# Altium PCB EE4951_BPM_REVA.PcbDoc (part 1 of 3) (continued)
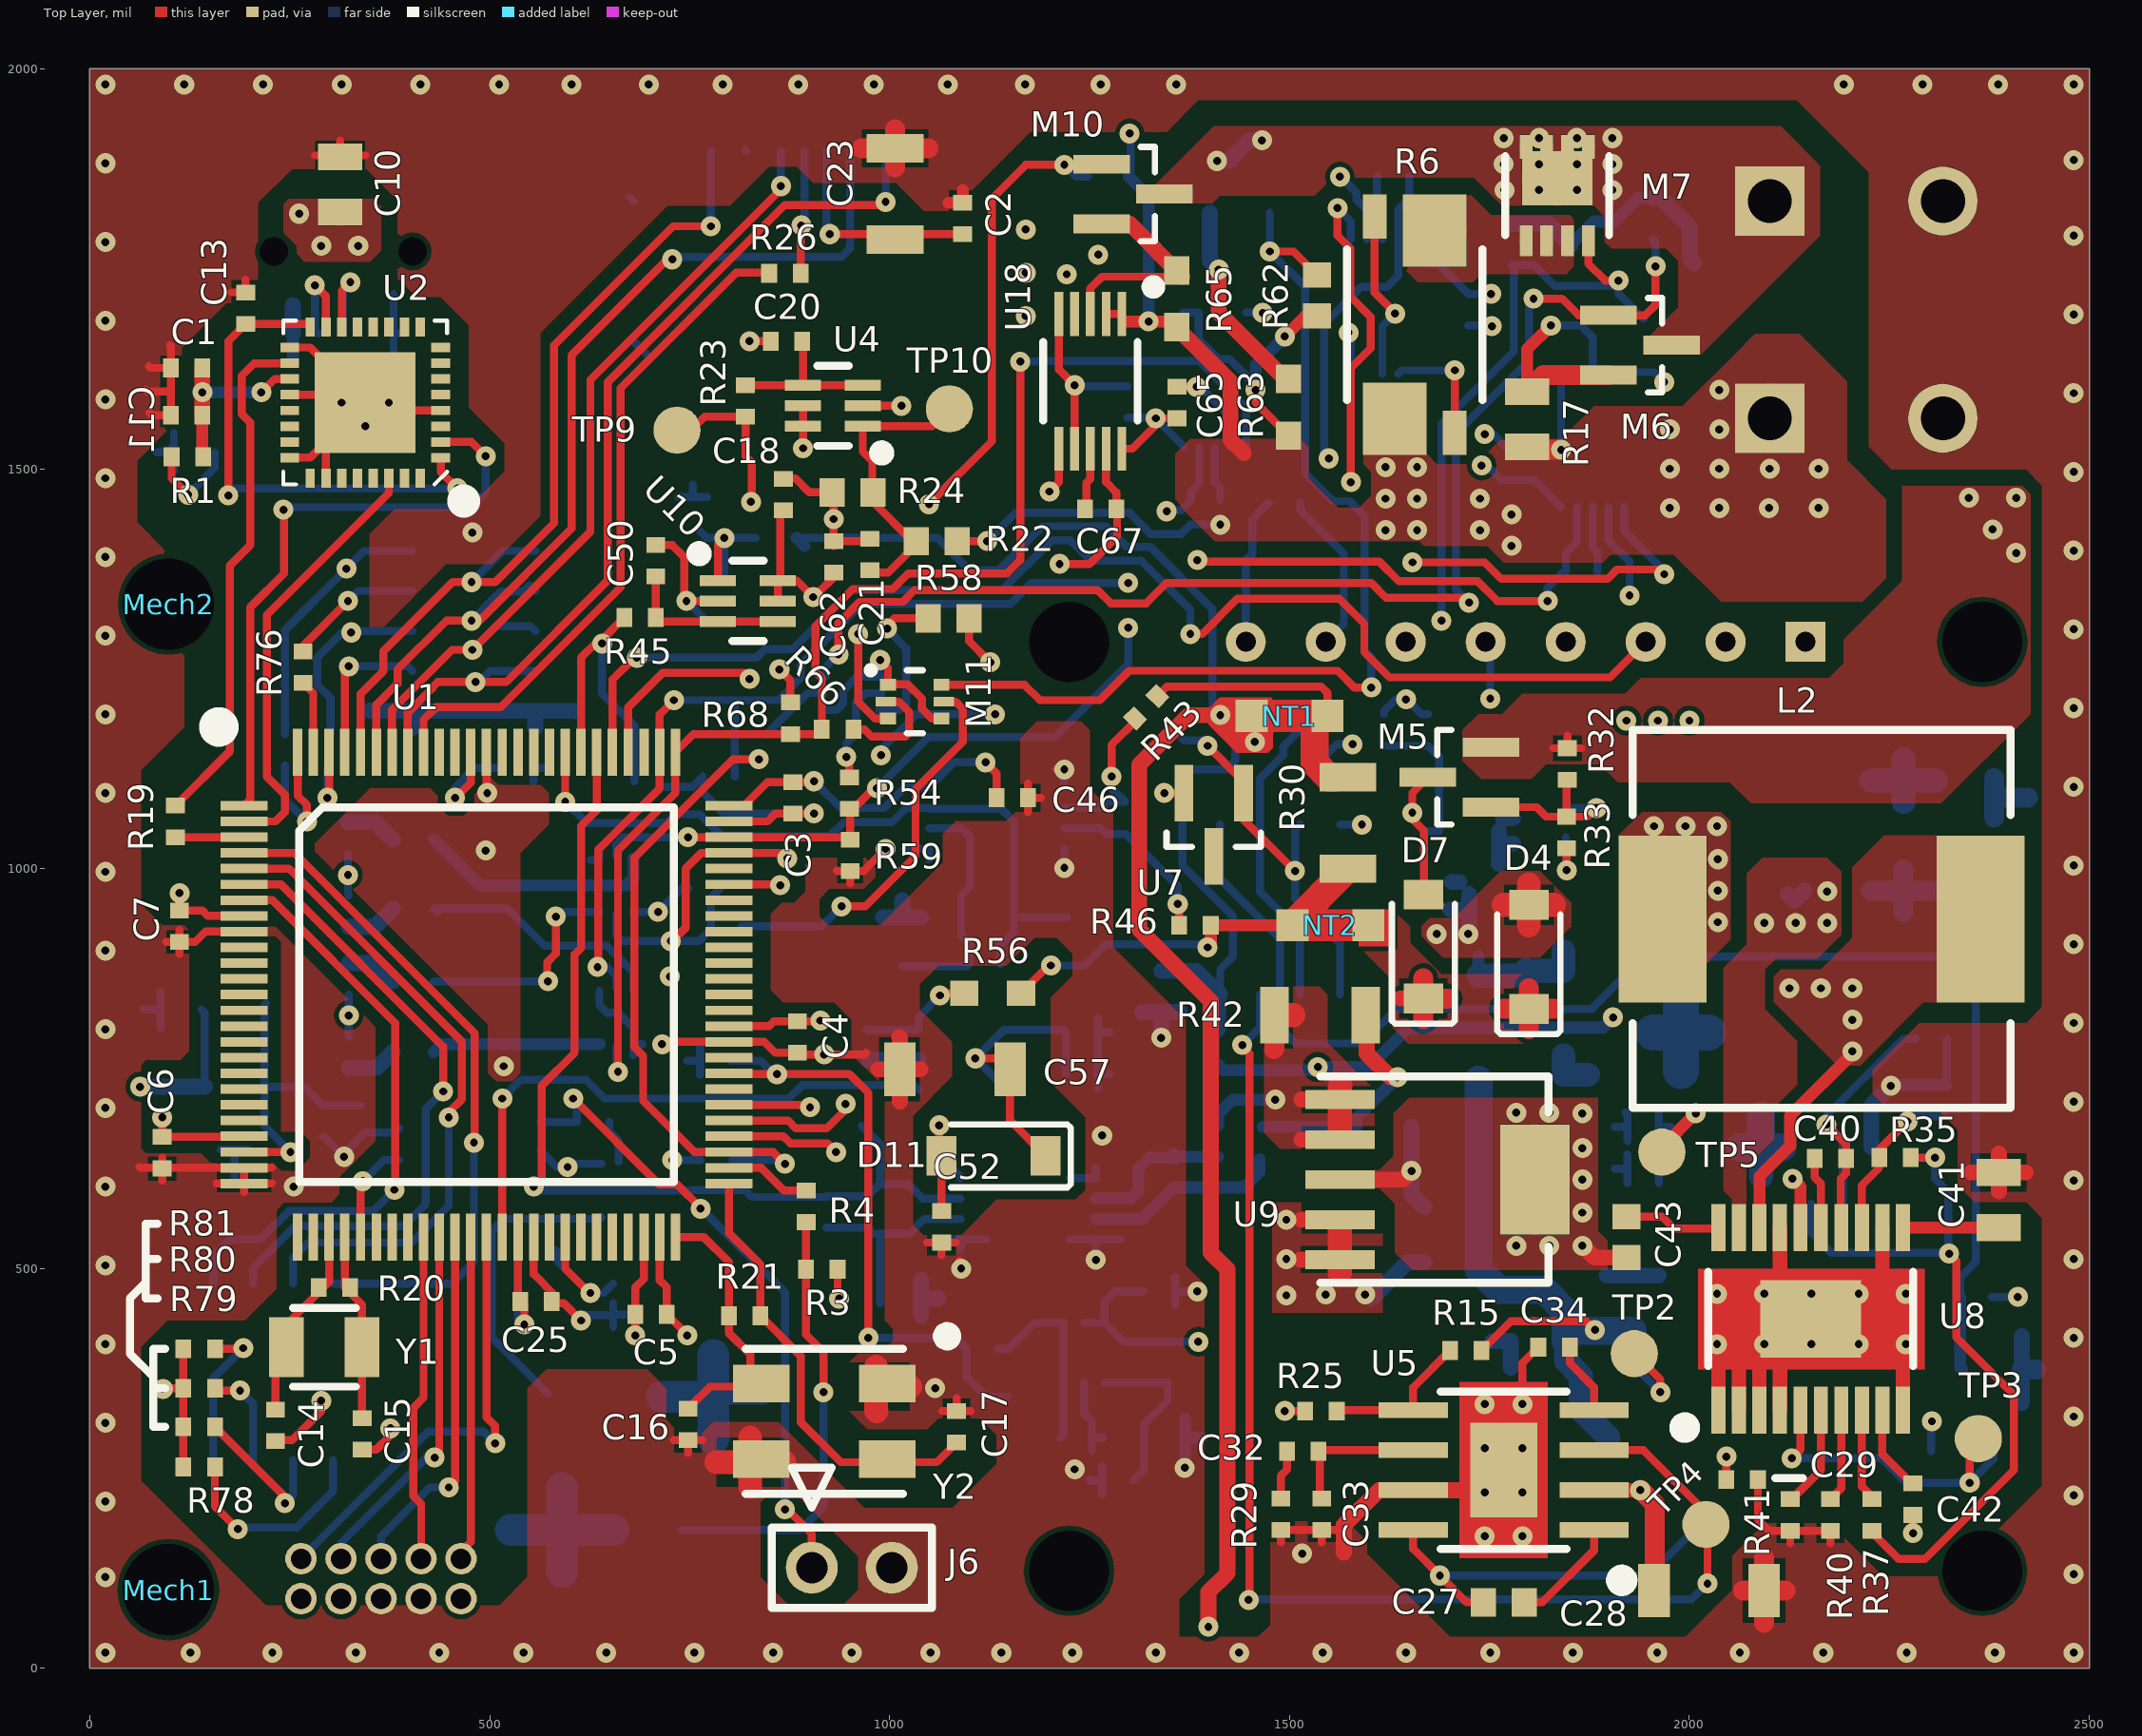
[diagram p0: Top Layer view]
## Components (designator, comment, footprint, x,y, rotation, side; value= is the part's Value field where it differs from the comment) (continued)
R56 "22k" RES0603W 1128.94,844.49 r180 top
R57 "50k" RES0402R 971.46,778.54 r90 bottom
R58 "220R" RES0603R 1073.82,1312.99 r0 top
R59 "10k" RES0402R 950.79,1016.73 r90 top
R60 "100R" RES0402R 826.77,1174.21 r0 bottom
R61 "10k" RES0402R 786.42,1115.16 r0 bottom
R62 "10k" RES0603R 1534.45,1716.54 r270 top
R63 "100R" RES0603W 1499.02,1576.77 r270 top
R64 "10k" RES0603R 1273.62,1865.16 r0 bottom
R65 "1k" RES0603W 1359.25,1712.6 r270 top
R66 "100R" RES0402R 935.04,1174.21 r0 top
R67 "100R" RES0402R 795.28,928.15 r0 bottom
R68 "10k" RES0402R 875.98,1187.99 r270 top
R69 "10k" RES0402R 768.7,975.39 r0 bottom
R70 "220R" RES0402R 323.82,862.2 r270 bottom
R71 "220R" RES0402R 323.82,770.67 r90 bottom
R72 "150k" RES0603R 1349.41,383.86 r90 bottom
R73 "0R" RES0402R 1116.14,399.61 r180 bottom
R74 "120k" RES0603R 1343.5,288.39 r180 bottom
R75 "220R" RES0402R 301.18,1141.73 r90 bottom
R76 "220R" RES0402R 266.73,1251.97 r90 top
R77 "220R" RES0402R 244.09,1148.62 r90 bottom
R78 "10k" RES0402R 136.81,251.97 r0 top
R79 "10k" RES0402R 136.81,302.17 r0 top
R80 "10k" RES0402R 136.81,350.39 r0 top
R81 "10k" RES0402R 136.81,399.61 r0 top
S1 "147873-1" TECONN_14783-1 685.04,173.23 r0 bottom
S2 "147873-1" TECONN_14783-1 685.04,339.57 r180 bottom
S3 "TDA04H0JB1" "TDA04H0JB1 4xSPST" 235.24,369.09 r90 bottom
TP1 "NONE" "TESTPOINT - 1.5mm Round Pad" 129.92,788.39 r180 bottom
TP2 "NONE" "TESTPOINT - 1.5mm Round Pad" 1974.41,484.25 r90 top
TP3 "NONE" "TESTPOINT - 1.5mm Round Pad" 2404.53,377.95 r90 top
TP4 "NONE" "TESTPOINT - 1.5mm Round Pad" 2063.98,270.67 r90 top
TP5 "NONE" "TESTPOINT - 1.5mm Round Pad" 2008.86,736.22 r90 top
TP6 "NONE" "TESTPOINT - 1.5mm Round Pad" 637.8,1268.7 r90 bottom
TP7 "NONE" "TESTPOINT - 1.5mm Round Pad" 1178.15,1035.43 r90 bottom
TP8 "NONE" "TESTPOINT - 1.5mm Round Pad" 943.9,762.8 r90 bottom
TP9 "NONE" "TESTPOINT - 1.5mm Round Pad" 777.56,1638.78 r90 top
TP10 "NONE" "TESTPOINT - 1.5mm Round Pad" 1118.11,1665.35 r90 top
TP11 "NONE" "TESTPOINT - 1.5mm Round Pad" 1080.71,428.15 r90 bottom
U1 "MK22FN512VLL12" "LQFP100 0.5mm 14mmx14mm" 496.06,842.52 r0 top locked
U2 "FT232RQ-REEL" QFN32 344.49,1582.68 r180 top
U3 "MAX6103EUR+T" SOT23-3M 181.1,688.19 r270 bottom
U4 "MAX9618AXA+T" SC70 929.13,1578.74 r180 top
U5 "TPS54331DDAR" HSOP-8 1767.72,247.97 r180 top
U6 "LM2903DR2G" SOIC-8 1488.19,948.82 r0 bottom
U7 "ADR5041" SOT23-3M 1405.51,1055.12 r270 top
U8 "TPS55332QPWPRQ1" HTSSOP-20 2151.57,437.01 r90 top
U9 "#NAME?" SOT-223-6 1562.99,611.22 r270 top
U10 "MAX9618AXA+T" SC70 822.83,1334.65 r0 top
U11 "MAX4208AUA+" uMAX8 1133.86,1062.99 r180 bottom
U12 "MAX4208AUA+" uMAX8 1173.23,574.8 r180 bottom
U13 "MAX9923TEUB+" uMAX10 1616.14,1702.76 r90 bottom
U14 "TLV3201AIDBVR" SOT23-5 1089.57,760.83 r0 bottom
U15 "MAX9923TEUB+" uMAX10 1878.94,1536.42 r270 bottom
U16 "SSD1306" SSD1306 1795.28,1283.46 r90 bottom locked
U17 "MAX9923TEUB+" uMAX10 1406.5,1611.22 r270 bottom
U18 "MAX9923TEUB+" uMAX10 1250.98,1609.25 r270 top
U19 "MAX9618AXA+T" SC70 1243.19,394.68 r90 bottom
Y1 "32.768kHz" ABS07-32.768KHZ-T 293.31,401.57 r180 top
Y2 "8MHz" ABMM2-8.000MHZ-B2-T 918.31,309.06 r180 top

## Footprints (in the part's own frame and the unit in brackets; to place one, negate y for a bottom-side part, rotate by r counter-clockwise, add the part's x,y. Pads: shape width x height; smd on the part's side, far side on the other; paste and mask are expansions set on the pad)
"1x2 Header" [mm]
  round 1.65 hole 1 mask+0.102: 1(-1.27,0) 2(1.27,0)
  silkscreen extent -2.54,-1.27 2.54,3.17, body extent -2.54,-1.27 2.54,1.27, height 8.59
"1x2 MicroFit" [mm] "1x2 Molex MicroFit"
  rect 2.2x2.2 hole 1.4 mask+0.102: 1(-2.75,0)
  round 2.2 hole 1.4 mask+0.102: 2(2.75,0)
  silkscreen extent -4.8,-2.7 4.8,2.7, body extent -4.97,-3.1 6.03,3.1, height 12.8
"2x5 Header (1.27mm)" [mm]
  round 1 hole 0.65: 1(-2.54,-0.635) 2(-2.54,0.635) 3(-1.27,-0.635) 4(-1.27,0.635) 5(0,-0.635) 6(0,0.635) 7(1.27,-0.635) 8(1.27,0.635) 9(2.54,-0.635) 10(2.54,0.635)
  silkscreen extent -3.42,-2.78 3.42,1.97, body extent -3.17,-1.72 3.18,1.68, height 5.5
"2x5 JTAG Header" [mm]
  rect 0.76x2.4 smd: 1(-2.54,-1.95) 2(-2.54,1.95) 3(-1.27,-1.95) 4(-1.27,1.95) 5(0,-1.95) 6(0,1.95) 7(1.27,-1.95) 8(1.27,1.95) 9(2.54,-1.95) 10(2.54,1.95)
  silkscreen extent -3.5,-5 3.5,2, body extent -3.17,-2.8 3.18,2.7, height 4.5
"2512 4 Terminal" [mm]
  rect 2.29x2.03 smd: 1(-2.985,2.285) 3(2.985,1.015)
  rect 1.4x0.76 smd: 2(-3.43,0.38) 4(3.43,2.92)
  silkscreen extent -2.4,-0.5 2.4,3.8, body extent -3.18,0.08 3.17,3.2, height 0.64
ABMM2-8.000MHZ-B2-T [mm]
  rect 1.8x1.2 smd: 1(-2,-1.2) 2(2,-1.2) 3(2,1.2) 4(-2,1.2)
  silkscreen extent -4.1,-2.9 2.5,2.3, body extent -2.5,-1.6 2.5,1.6, height 1.2
ABS07-32.768KHZ-T [mm] "32kHz Crystal"
  rect 1.1x1.9 smd: 1(-1.2,0) 2(1.2,0)
  silkscreen extent -1,-1.25 1,1.25, body extent -1.6,-0.75 1.6,0.75, height 1
Bourns_SRR1210 [mm] "SMD Inductor, 1210 package"
  rect 5.3x2.8 smd mask+0.102: 1(0,5.05) 2(0,-5.05)
  silkscreen extent -6,-6 6,6, body extent -5.97,-5.97 5.97,5.97, height 10
CAP0402R [mm] "Capacitor 0402 reflow soldering"
  rect 0.5x0.6 smd: 1(-0.5,0) 2(0.5,0)
  body extent -0.5,-0.3 0.5,0.3, height 0.2
CAP0603R [mm] "capacitor 0603 reflow soldering"
  rect 0.8x0.9 smd: 1(-0.65,0) 2(0.65,0)
  body extent -0.8,-0.4 0.8,0.4, height 0.3
CAP0805R [mm] "capacitor 0805 reflow soldering"
  rect 0.85x1.4 smd: 1(-0.875,0) 2(0.875,0)
  body extent -1,-0.63 1,0.62, height 0.78
CAP1206R [mm] "capacitor 1206 reflow soldering"
  rect 0.9x1.8 smd: 1(-1.45,0) 2(1.45,0)
  body extent -1.6,-0.8 1.6,0.8, height 1
CAP1206W [mm] "capacitor 1206 wave soldering"
  rect 1x1.7 smd: 1(-1.75,0) 2(1.75,0)
  body extent -1.6,-0.8 1.6,0.8, height 1
CDRH3D28NP-6R8NC [mm]
  rect 1.5x1.5 smd rot 45: 1(-1.379,-1.379) 2(1.379,1.379)
  silkscreen extent -2,-2 2,2, body extent -2,-2 2,2, height 3
HSOP-8 [mm]
  rect 2.2x0.5 smd: 1(-2.875,1.905) 2(-2.875,0.635) 3(-2.875,-0.635) 4(-2.875,-1.905) 5(2.875,-1.905) 6(2.875,-0.635) 7(2.875,0.635) 8(2.875,1.905)
  rect 2.13x3 smd paste-0.35: 9(0,0)
  silkscreen extent -4,-2.5 2,3.75, body extent -3.08,-2.5 3.08,2.5, height 2
HTSSOP-20 [mm]
  rect 2.45x3.2 smd: 0(0,0)
  rect 1.5x0.45 smd: 1(-2.9,2.925) 2(-2.9,2.275) 3(-2.9,1.625) 4(-2.9,0.975) 5(-2.9,0.325) 6(-2.9,-0.325) 7(-2.9,-0.975) 8(-2.9,-1.625) 9(-2.9,-2.275) 10(-2.9,-2.925) 11(2.9,-2.925) 12(2.9,-2.275) 13(2.9,-1.625) 14(2.9,-0.975) 15(2.9,-0.325) 16(2.9,0.325) 17(2.9,0.975) 18(2.9,1.625) 19(2.9,2.275) 20(2.9,2.925)
  silkscreen extent -3.69,-3.25 1.5,4.24, body extent -3.23,-3.25 3.18,3.25, height 0.95
"LED Green 0603" [mm] "LED Green 0603"
  rect 0.8x0.9 smd: 1(0.65,0)
  rect 0.8x1.1 smd: 2(-0.65,0)
  silkscreen extent 0,-0.65 1.25,0.65, body extent -0.8,-0.4 0.8,0.4, height 0.3
"LQFP100 0.5mm 14mmx14mm" [mm]
  rect 1.5x0.3 smd: 1(-7.7,6) 2(-7.7,5.5) 3(-7.7,5) 4(-7.7,4.5) 5(-7.7,4) 6(-7.7,3.5) 7(-7.7,3) 8(-7.7,2.5) 9(-7.7,2) 10(-7.7,1.5) 11(-7.7,1) 12(-7.7,0.5) 13(-7.7,0) 14(-7.7,-0.5) 15(-7.7,-1) 16(-7.7,-1.5) 17(-7.7,-2) 18(-7.7,-2.5) 19(-7.7,-3) 20(-7.7,-3.5) 21(-7.7,-4) 22(-7.7,-4.5) 23(-7.7,-5) 24(-7.7,-5.5) 25(-7.7,-6) 51(7.7,-6) 52(7.7,-5.5) 53(7.7,-5) 54(7.7,-4.5) 55(7.7,-4) 56(7.7,-3.5) 57(7.7,-3) 58(7.7,-2.5) 59(7.7,-2) 60(7.7,-1.5) 61(7.7,-1) 62(7.7,-0.5) 63(7.7,0) 64(7.7,0.5) 65(7.7,1) 66(7.7,1.5) 67(7.7,2) 68(7.7,2.5) 69(7.7,3) 70(7.7,3.5) 71(7.7,4) 72(7.7,4.5) 73(7.7,5) 74(7.7,5.5) 75(7.7,6)
  rect 0.3x1.5 smd: 26(-6,-7.7) 27(-5.5,-7.7) 28(-5,-7.7) 29(-4.5,-7.7) 30(-4,-7.7) 31(-3.5,-7.7) 32(-3,-7.7) 33(-2.5,-7.7) 34(-2,-7.7) 35(-1.5,-7.7) 36(-1,-7.7) 37(-0.5,-7.7) 38(0,-7.7) 39(0.5,-7.7) 40(1,-7.7) 41(1.5,-7.7) 42(2,-7.7) 43(2.5,-7.7) 44(3,-7.7) 45(3.5,-7.7) 46(4,-7.7) 47(4.5,-7.7) 48(5,-7.7) 49(5.5,-7.7) 50(6,-7.7) 76(6,7.7) 77(5.5,7.7) 78(5,7.7) 79(4.5,7.7) 80(4,7.7) 81(3.5,7.7) 82(3,7.7) 83(2.5,7.7) 84(2,7.7) 85(1.5,7.7) 86(1,7.7) 87(0.5,7.7) 88(0,7.7) 89(-0.5,7.7) 90(-1,7.7) 91(-1.5,7.7) 92(-2,7.7) 93(-2.5,7.7) 94(-3,7.7) 95(-3.5,7.7) 96(-4,7.7) 97(-4.5,7.7) 98(-5,7.7) 99(-5.5,7.7) 100(-6,7.7)
  silkscreen extent -8.62,-5.95 5.95,8.62, body extent -8,-8 8,8, height 1.6
MICROSD_1050270001 [mm]
  rect 0.5x1 smd: G1(0.2,0) P1(3.85,0) P2(2.75,0) P3(1.65,0) P4(0.9,0) P5(-0.55,0) P6(-1.65,0) P7(-2.75,0) P8(-3.85,0)
  rect 2x1.2 smd: S1(5.225,1.61) S2(5.225,6.06) S3(-5.225,6.06) S4(-5.225,1.61)
  Mechanical 15 keep-out region: -6.125,-0.787 6.125,-0.787 6.125,-8.7 -6.125,-8.7
  silkscreen extent -5.63,-0.38 5.63,6.63, body extent -5.62,-0.37 5.62,6.63, height 1.7
"Net Tie" [mm]
  rect 1.02x1.02 smd mask+0.102: 1(-1.205,0) 2(1.205,0)
  Top Layer lines w1.02: 1.205,0 -1.205,0
  body extent -1.45,-0.5 1.45,0.5, height 1.99
PowerPAK-1212-8 [mm]
  rect 0.99x0.405 smd: 1(-1.435,0.99) 2(-1.435,0.33) 3(-1.435,-0.33) 4(-1.435,-0.99)
  rect 1.725x2.235 smd paste-5: 5(0.55,0)
  rect 0.76x0.405 smd: 5(1.55,-0.99) 6(1.55,-0.33) 7(1.55,0.33) 8(1.55,0.99)
  silkscreen extent -1.25,-1.65 1.25,1.65, body extent -1.61,-1.65 1.71,1.65, height 1.12
QFN32 [mm]
  rect 3.2x3.2 smd paste-3.2: 0(0,0)
  rect 0.6x0.3 smd: 1(-2.4,1.75) 2(-2.4,1.25) 3(-2.4,0.75) 4(-2.4,0.25) 5(-2.4,-0.25) 6(-2.4,-0.75) 7(-2.4,-1.25) 8(-2.4,-1.75) 17(2.4,-1.75) 18(2.4,-1.25) 19(2.4,-0.75) 20(2.4,-0.25) 21(2.4,0.25) 22(2.4,0.75) 23(2.4,1.25) 24(2.4,1.75)
  rect 0.3x0.6 smd: 9(-1.75,-2.4) 10(-1.25,-2.4) 11(-0.75,-2.4) 12(-0.25,-2.4) 13(0.25,-2.4) 14(0.75,-2.4) 15(1.25,-2.4) 16(1.75,-2.4) 25(1.75,2.4) 26(1.25,2.4) 27(0.75,2.4) 28(0.25,2.4) 29(-0.25,2.4) 30(-0.75,2.4) 31(-1.25,2.4) 32(-1.75,2.4)
  silkscreen extent -3.15,-2.6 2.6,3.15, body extent -2.5,-2.5 2.5,2.5, height 0.85
RES0402R [mm] "resistor 0402 reflow soldering"
  rect 0.5x0.6 smd: 1(-0.5,0) 2(0.5,0)
  body extent -0.5,-0.25 0.5,0.25, height 0.3
RES0603R [mm] "resistor 0603 reflow soldering"
  rect 0.8x0.9 smd: 1(-0.65,0) 2(0.65,0)
  body extent -0.8,-0.4 0.8,0.4, height 0.45
RES0603W [mm] "resistor 0603 wave soldering"
  rect 0.9x0.8 smd: 1(-0.9,0) 2(0.9,0)
  body extent -0.8,-0.4 0.8,0.4, height 0.45
RES0805R [mm] "resistor 0805 reflow soldering"
  rect 0.85x1.4 smd: 1(-0.875,0) 2(0.875,0)
  body extent -1,-0.63 1,0.63, height 0.5
RES1206R [mm] "resistor 1206 reflow soldering"
  rect 0.9x1.8 smd: 1(-1.45,0) 2(1.45,0)
  body extent -1.5,-0.77 1.6,0.78, height 0.55
RES1206W [mm] "resistor 1206 wave soldering"
  rect 1x1.7 smd: 1(-1.75,0) 2(1.75,0)
  body extent -1.55,-0.77 1.55,0.78, height 0.55
SC70 [mm]
  rect 1.15x0.35 smd: 1(-0.95,0.65) 2(-0.95,0) 3(-0.95,-0.65) 4(0.95,-0.65) 5(0.95,0) 6(0.95,0.65)
  silkscreen extent -1.7,-1.28 0.5,1.65, body extent -1.05,-1 1.05,1, height 0.92
SOD128 [mm]
  rect 1.4x2.1 smd: 1(-2.2,0) 2(2.2,0)
  silkscreen extent -1,-1.35 3.28,2.1, body extent -2.63,-1.35 2.57,1.35, height 1.11
SOD-123 [mm] "SM DIODE; 2 Flat Leads"
  rect 0.95x1.25 smd: 1(1.65,0) 2(-1.65,0)
  silkscreen extent -1.35,-1 2.45,1, body extent -1.92,-1.08 1.93,1.08, height 1.35
SOIC-8 [mm]
  rect 0.6x1.55 smd mask+0.102: 1(-1.905,-2.7) 2(-0.635,-2.7) 3(0.635,-2.7) 4(1.905,-2.7) 5(1.905,2.7) 6(0.635,2.7) 7(-0.635,2.7) 8(-1.905,2.7)
  silkscreen extent -3.03,-2.85 2.5,1.6, body extent -2.5,-3.08 2.5,3.08, height 2
SOT23-3M [mm]
  rect 1.8x0.6 smd: 1(-0.994,0.946) 2(-0.994,-0.954) 3(1.006,-0.004)
  silkscreen extent 0.25,-1.5 0.71,1.5, body extent -1.13,-1.5 1.13,1.5, height 1.18
SOT23-5 [mm]
  rect 1.05x0.6 smd: 1(-1.35,0.95) 2(-1.35,0) 3(-1.35,-0.95) 4(1.35,-0.95) 5(1.35,0.95)
  silkscreen extent -1.97,-1.6 0.5,2.12, body extent -1.6,-1.5 1.6,1.5, height 0.92
SOT666-6N [mm] "NXP PMDT670UPE"
  rect 0.5x0.375 smd paste-0.025 mask+0.064: 1(-0.85,0.538) 3(-0.85,-0.538) 4(0.85,-0.538) 6(0.85,0.538)
  rect 0.65x0.3 smd paste-0.025 mask+0.064: 2(-0.925,0) 5(0.925,0)
  silkscreen extent -1.5,-1 0.25,1.1, body extent -0.8,-1 0.8,1, height 0.6
SOT-223-6 [mm]
  rect 0.6x2.2 smd mask+0.102: 1(-2.54,0) 2(-1.27,0) 3(0,0) 4(1.27,0) 5(2.54,0)
  rect 3.5x2.2 smd mask+0.102: 6(0,6.2)
  silkscreen extent -3.27,-0.63 3.27,6.63, body extent -3.27,-0.63 3.28,6.63, height 1.8
SSD1306 [mm]
  round 1.27 hole 2.54: 0(-29.5,-14.5) 0(-29.5,14.5) 0(0,-14.5) 0(0,14.5)
  rect 1.27x1.27 hole 0.635: 1(0,8.89)
  round 1.27 hole 0.635: 2(0,6.35) 3(0,3.81) 4(0,1.27) 5(0,-1.27) 6(0,-3.81) 7(0,-6.35) 8(0,-8.89)
  body extent -32.5,-17.78 3,17.78, height 18.91
"Standoff M2.5x12mm" [mm]
  round 1 hole 2.9: 1(0,0)
  body extent -2.25,-2.25 2.25,2.25, height 12
"TDA04H0JB1 4xSPST" [mm] "1.27mm pitch Microswitch Array"
  rect 1.6x0.76 smd: 1(-2.76,1.75) 2(-2.76,0.48) 3(-2.76,-0.79) 4(-2.76,-2.06) 5(2.85,-2.06) 6(2.85,-0.79) 7(2.85,0.48) 8(2.85,1.75)
  silkscreen extent -3.75,-3.3 2.05,3.77, body extent -3.22,-3.3 3.35,2.97, height 2.2
TECONN_14783-1 [mm]
  rect 2.8x2.2 smd: 1(-2.4,0) 2(2.4,0)
  silkscreen extent -3,-2 3,1.97, body extent -3.13,-1.75 3.13,1.75, height 4.5
"TESTPOINT - 1.5mm Round Pad" [mm]
  round 1.5 smd: 1(-2.3,1.1)
uMAX8 [mm]
  rect 1.35x0.4 smd: 1(-2.15,0.975) 2(-2.15,0.325) 3(-2.15,-0.325) 4(-2.15,-0.975) 5(2.15,-0.975) 6(2.15,-0.325) 7(2.15,0.325) 8(2.15,0.975)
  silkscreen extent -3.32,-1.75 1.5,2.32, body extent -2.5,-1.5 2.5,1.5, height 0.95
uMAX10 [mm]
  rect 1.4x0.28 smd: 1(-2.14,1) 2(-2.14,0.5) 3(-2.14,0) 4(-2.14,-0.5) 5(-2.14,-1) 6(2.14,-1) 7(2.14,-0.5) 8(2.14,0) 9(2.14,0.5) 10(2.14,1)
  silkscreen extent -3.12,-1.5 1.25,2.12, body extent -2.5,-1.5 2.5,1.5, height 0.95
"USB MINI-B 1734035-4" [mm] "USB MINI B FEMALE"
  round 0.1 hole 0.9: 0(-2.6,-2.2) 0(-2.6,2.2)
  rect 2.3x0.5 smd: 1(0,1.6) 2(0,0.8) 3(0,0) 4(0,-0.8) 5(0,-1.6)
  rect 2.5x2 smd: SH1(-5.7,4.45) SH2(-0.1,4.45) SH3(-5.7,-4.45) SH4(-0.1,-4.45)
  silkscreen extent -3.9,-5.4 -1.9,5.4, body extent -8.5,-4.95 0.75,4.95, height 3.98

## Part data
C1: library part "10nF (0402)"
C2 C3 C4 C5 C6 C7 C11 C13 C18 C22 C24 C25 C38 C40 C46 C52 C55 C58 C59 C60 C62 C64 C65 C68 C69: library part "0.1uF (0402)"
C8 C12 C34 C37 C61 C63 C66 C67: library part "1nF (0402)"
C10: library part "4.7uF (0805)"
C14 C15: library part "12pF (0402)"
C16 C17: library part "22pF (0402)"
C19 C20 C48 C49 C50 C54 C70 C71: library part "15pF (0402)"
C21 C35: library part "10pF (0402)"
C26 C27 C43: library part "0.1uF 50v (0603)"
C28 C39 C57: library part "10uF (1206)"
C29 C32: library part 4.7uF
C30 C31: library part "33uF (0805)"
C33 C44 C45: library part "Generic Ceramic Capacitor"
C36: library part "10uF 50v (1206)"
C41: library part "0.47uF (0805)"
C42 C47 C53: library part "4.7nF (0402)"
C51 C72: library part "2.2pF (0402)"
D1 D2 D3 D13 D14: library part "LED Green 0603"
D4 D5 D6 D7: library part PMEG3020ER,115, "Schottky Diode - 2A"
D8 D9 D10: library part PMEG3050BEP
D11: library part BAT43
D12: library part BZT52H-C18, "19.1v Zener Diode"
J1 J2: library part "1x2 Microfit", "1x2 MicroFit"
J3: library part "2x5 JTAG Header TH", "2x5 JTAG Header TH (1.27mm)"
J4: library part "USB Mini-B Female", "USB Mini B Female"
J5: library part "2x5 JTAG Header SMD", "2x5 JTAG Header SMD (1.27mm)"
J6: "1x2 Header, 2.52mm pitch"
J7: library part "MICRO_SD 1050270001"
L1: library part "6.8uH Power Inductor", "6.8uH Shielded Power Inductor"
L2: library part 22uH_SRR1210
M1 M2 M8 M11 M12: library part NX3020NAKV, "NFET_DUAL_200mA_30v"
M3: library part 2N7002, "NFET_SINGLE_360mA_60V"
M4 M5: library part "Generic PFET"
M6 M9 M10: library part DMP3056L, "PFET_SINGLE_4.3A_30v"
M7: library part SI7101DN, "PFET_SINGLE_35A_30v"
NT1 NT2: "Net Tie Testpoint w/ Hook"
R1: library part "300R (0402)"
R2 R10 R12 R14 R38: library part "100k (0402)"
R3 R9 R15 R39 R59 R61 R68 R69 R78 R79 R80 R81: library part "10k (0402)"
R4 R7 R8 R26 R54 R60 R66 R67: library part "100R (0402)"
R5: library part "1k (0402)"
R6: library part "10m 0.5% (2512 4-Terminal)", "10mR Current Sense - 4-Terminal"
R11 R16 R20 R21 R55: library part "1MEG (0402)"
R13 R18 R62 R64: library part "10K (0603)"
R17: library part "1R 0.25% (0805)"
R19 R27 R28 R70 R71 R75 R76 R77: library part "220R (0402)"
R22: library part "220k 0.1% (0603)"
R23 R45 R73: library part "0R (0402)"
R24: library part "30k 0.1% (0603)"
R25: library part "1.8k (0402)"
R29 R41: library part "49.9k (0402)"
R30 R42: library part "100m 0.1% (1206)"
R31 R32 R33: library part "Generic Resistor"
R34: library part "0R (1206)", "0R, 1206"
R35 R57: library part "50k (0402)"
R36: library part "127k (0402)"
R37: library part "2k (0402)"
R40: library part "4.99k (0402)"
R43 R46 R50 R51: library part "10R (0402)"
R44 R74: library part "120k 0.1% (0603)"
R47 R52: library part "59k   0.1% (0603)"
R48 R72: library part "150k 0.1% (0603)"
R49 R53: library part "10k   0.1% (0603)"
R56: library part "22k (0603)"
R58: library part "220R (0603)"
R63: library part "100R   0.1% (0603)"
R65: library part "1k   0.1% (0603)"
S1 S2: library part "SPST Momentary Micro", "Micro SPST Momentary Switch"
S3: library part "4xSPST Microswitch (1.27mm)", "SPST Microswitch Array (4 Position)"
TP1 TP2 TP3 TP4 TP5 TP6 TP7 TP8 TP9 TP10 TP11: library part "Testpoint 1.5mm SMD", "1.5mm Testpoint"
U1: "32-bit ARM Cortex-M4 Microcontroller"
U2: "UART Interface/Bridge"
U3: "Precision 3v Reference"
U4 U10 U19: library part MAX9618AXA, "Op Amp - 1 Channel Zero Drift"
U5: library part TPS54331, "Buck Converter - Adj. Output - 3A Max"
U6: "Dual Comparator - Open Collector"
U7: library part ADR5045AKSZ, "Precision 5v Reference"
U8: "Boost Converter - Wide Input Voltage"
U9: library part TPS7A4533DCQR, "3.3v LDO"
U11 U12: library part MAX4208, "Instrumentation Amplifier"
U13 U15 U17 U18: "Ultra-Precision High Side Current Shunt Amp"
U14: "High Speed Analog Comparator"
U16: "OLED Display"
Y1: library part "32kHz Crystal", "32kHz Crystal"
Y2: library part "8.0MHz Crystal 18pF 20ppm", "8.0MHz Crystal"

## Via types
v1: diameter 25, hole 10, Top Layer to Bottom Layer, tented both sides, 360 vias
v2: diameter 25, hole 10, Top Layer to Bottom Layer, 43 vias

## Nets (pads, with @x,y where several pads share a name; then routed paths per layer and width w, separated by ;. In a path a pad name is that pad's centre, name@x,y a point inside that pad or via, vN(x,y) a via of type N, cw(c..) or ccw(c..) an arc to the next point about the centre after c; other vN are vias at no path point)
3.3V: C2.1 C3.1 C4.1 C5.1 C6.1 C7.1 C18.1 C22.1 C23.2 C24.1 C25.1 C45.1 C46.1 C52.1 C59.1 C60.1 C62.1 C64.1 C65.1 C69.1 D11.2 J3.1 J7.P4 R3.2 R5.2 R27.2 R28.2 R70.2 R71.2 R72.2 R78.1 R79.1 R80.1 R81.1 U1.8 U1.22 U1.30 U1.40 U1.48 U1.61 U1.75 U1.89 U4.5 U4.6 U9.4 U9.5 U10.5 U10.6 U11.8 U12.8 U13.10 U15.10 U17.10 U18.10 U19.5 U19.6 | length 5325.1
  Top Layer w10: v1(90.55,688.98) C6.1@90.55,664.57 U1.22@192.13,664.57 ; v1(91.54,349.41) 92.52,350.39 R80.1@117.13,350.39 ; v1(112.2,969.49) C7.1@112.2,947.83 140.75,947.83 147.64,940.94 U1.8@192.91,940.94 ; R78.1@117.13,251.97 R79.1@117.13,302.17 R80.1@117.13,350.39 ; R81.1@117.13,399.61 R80.1@117.13,350.39 ; U1.30@338.58,539.37 338.58,575.79 v1@338.58,604.33 ; v1(456.69,1088.58) 457.68,1088.58 476.38,1107.28 U1.89@476.38,1145.67 ; U1.40@535.43,539.37 535.43,464.57 543.31,456.69 v1(543.31,430.12) ; v1(682.09,416.34) C5.1@682.09,442.91 682.09,476.38 692.91,487.2 U1.48@692.91,539.37 ; U1.61@799.21,803.15 849.41,803.15 855.32,809.06 C4.1@884.84,809.06 912.4,809.06 v1(913.39,810.04) ; U1.75@799.21,1078.74 817.91,1078.74 847.44,1108.27 C3.1@878.94,1108.27 904.53,1108.27 v1(905.51,1109.25) ; U10.5@860.24,1334.65 U10.6@860.24,1360.24 ; C18.1@863.19,1446.85 863.19,1363.19 U10.6@860.24,1360.24 ; v1(891.73,1525.59) U4.6@891.73,1553.15 U4.5@891.73,1578.74 ; v1(925.2,1793.31) 987.2,1793.31 C23.2@988.19,1794.29 ; C62.1@930.12,1364.17 908.46,1342.52 911.42,1339.57 v1(904.53,1339.57) 883.86,1360.24 U10.6@860.24,1360.24 ; R3.2@935.04,499.02 935.04,464.57 933.07,462.6 v1(937.01,462.6) ; C23.2@1006.89,1786.42 1013.78,1793.31 C2.1@1091.54,1793.31 ; v1(1062.01,679.13) 1062.01,643.7 D11.2@1064.96,640.75 C52.1@1064.96,571.85 ; v1(1120.08,1132.87) 1133.86,1119.09 C46.1@1133.86,1088.58 ; U18.10@1290.35,1525 1303.54,1525 1332.68,1554.13 v1(1332.68,1562.99) C65.1@1359.25,1562.99
  Top Layer w20: 1513.78,511.32 1513.88,511.22 U9.5@1562.99,511.22 ; 1514.76,561.02 1514.96,561.22 U9.4@1562.99,561.22
  Top Layer w30: 1562.99,494.09 U9.5@1562.99,511.22 U9.4@1562.99,557.09
  Mid Layer 1 w20: 954.72,1804.13 1022.64,1804.13 1064.96,1846.46 1452.76,1846.46 1515.75,1909.45 1677.17,1909.45 1711.61,1875 1711.61,1758.86 v1(1751.97,1718.5) ; 1299.21,1496.06 1492.18,1496.06 1537.45,1541.34 1697.83,1541.34 1735.24,1503.93 v1(1740.15,1503.93) ; 1314.96,1545.28 v1(1332.68,1562.99)
  Mid Layer 1 w25: 1027.56,679.13 1027.56,879.92 1120.08,972.44 v1(1120.08,1132.87)
  Bottom Layer w10: R27.2@322.83,1018.7 v1(322.83,992.13) 322.83,967.52 R28.2@323.82,966.54 ; R71.2@323.82,790.35 v1(323.82,816.44) R70.2@323.82,842.52 ; v1(341.54,609.25) 368.11,635.83 C24.1@386.81,635.83 ; v1(456.69,1088.58) 456.69,1101.38 481.3,1125.98 C22.1@515.75,1125.98 ; R5.2@535.43,522.83 535.43,437.99 v1(543.31,430.12) ; v1(905.51,1109.25) 938.98,1075.79 993.11,1075.79 1018.7,1101.38 U11.8@1049.21,1101.38 1080.71,1132.87 v1(1120.08,1132.87) ; J7.P4@921.26,1897.64 921.26,1797.24 v1(925.2,1793.31) ; v1(1062.01,679.13) 1062.01,641.73 1088.58,615.16 U12.8@1088.58,613.19 ; U19.5@1243.19,432.09 U19.6@1268.78,432.09 ; C64.1@1297.24,1563.98 1331.69,1563.98 v1(1332.68,1562.99) 1367.13,1528.54 U17.10@1367.13,1526.97 ; C69.1@1317.91,471.46 1281.5,471.46 1268.78,458.74 U19.6@1268.78,432.09 ; R72.2@1349.41,409.45 1350.39,408.46 v1(1385.83,408.46) 1292.4,408.46 U19.6@1268.78,432.09 ; U13.10@1655.51,1787.01 1655.51,1786.42 C59.1@1723.43,1718.5 v1(1751.97,1718.5) ; v1(1740.15,1503.93) 1747.04,1503.93 1764.76,1486.22 C60.1@1772.64,1486.22 1805.51,1486.22 U15.10@1839.57,1452.17
  Bottom Layer w20: v1(1594.49,467.52) 1597.44,467.52 1602.36,462.6 1647.64,507.87 C45.1@1668.31,507.87
  other v1: 1496.06,466.54 1545.28,467.52 1496.06,511.81 1496.06,561.02
5V: C9.1 C55.1 C56.1 NT1.2 R48.2 U3.1 U16.7 | length 4473.8
  Top Layer w20: v1(1398.62,52.17) 1398.62,95.47 1422.24,119.09 1422.24,499.02 1401.57,519.69 1401.57,834.65 1312.05,924.17 1312.05,1129.96 1374.02,1191.93 v1(1413.39,1191.93)
  Mid Layer 1 w10: v1@59.06,727.36 59.06,259.84 200.79,118.11 200.79,82.68 231.3,52.17 v1(1398.62,52.17)
  Mid Layer 1 w30: v1(1456.69,1158.46) 1545.28,1247.05 U16.7@1545.28,1283.46
  Bottom Layer w10: C9.1@139.76,823.82 143.84,819.74 U3.1@143.84,727.31 U3.1@143.8,727.36 ; R48.2@883.86,1413.39 1060.04,1413.39 1100.39,1373.03 1135.83,1373.03 1190.94,1428.15 1270.67,1428.15 1296.51,1402.31 1326.04,1402.31 1403.54,1324.8 1403.54,1201.77 v1(1413.39,1191.93) ; C55.1@1513.78,1457.68 1513.78,1447.83 1567.91,1393.7 1567.91,1306.1 U16.7@1545.28,1283.46
  Bottom Layer w15: R48.2@883.86,1413.39 R48.2@893.7,1403.54
  Bottom Layer w20: v1(62.99,727.36) U3.1@143.8,727.36
ADC_3V_REF: C8.1 R2.2 TP1.1 U1.23 U3.2 | length 387.9
  Top Layer w10: U1.23@192.91,645.67 v1(250.98,645.67)
  Bottom Layer w10: TP1.1@220.47,831.69 218.65,829.87 U3.2@218.65,727.31 ; v1(250.98,645.67) 218.65,678.01 U3.2@218.65,727.31 ; C8.1@338.58,703.94 R2.2@291.34,703.94 267.96,727.31 U3.2@218.65,727.31
BOOST_EN: M3.3 R10.1 TP3.1 U8.5 | length 417.3
  Top Layer w10: v1(2127.95,262.8) 2138.78,273.62 U8.5@2138.78,322.83 ; v1(2350.39,232.28) TP3.1@2350.39,272.64
  Bottom Layer w10: v1(2127.95,262.8) 2240.16,262.8 2270.67,232.28 R10.1@2302.17,232.28 v1(2350.39,232.28) 2379.92,261.81 2379.92,289.27 M3.3@2374.16,295.03
BOOST_OUT: C37.1 C38.1 C39.1 D6.2 D10.1 R35.2 R36.2 R37.1 TP5.1 U8.16 | length 1537
  Top Layer w10: R37.1@2228.35,172.24 2228.35,170.28 2261.81,136.81 2294.29,136.81 2405.51,248.03 2405.51,342.52 2333.66,414.37 2333.66,509.84 v1(2324.8,518.7) ; R35.2@2276.57,638.78 v1(2307.09,638.78)
  Top Layer w15: TP5.1@1965.55,645.67 1965.55,651.57 v1(2007.87,693.9) ; v1(2128.94,612.2) 2138.78,602.36 U8.16@2138.78,551.18
  Bottom Layer w10: 1961.61,607.28 C37.1@1961.61,625 ; 1961.61,693.9 C38.1@1961.61,677.17 ; 1976.38,625 C37.1@1961.61,625 ; 1976.38,677.17 C38.1@1961.61,677.17 ; 2137.8,562.99 R36.2@2152.56,562.99 ; 2152.56,580.71 R36.2@2152.56,562.99 ; 2167.32,562.99 R36.2@2152.56,562.99 ; v1(2307.09,638.78) 2307.09,612.2 2323.82,595.47 2323.82,519.69 v1(2324.8,518.7) ; v1@2314.96,519.69 2177.17,519.69 2152.56,544.29 R36.2@2152.56,562.99 ; C37.1@1961.61,625 C38.1@1961.61,677.17
  Bottom Layer w30: 1842.51,766.73 D6.2@1842.51,742.12 1873.03,742.12 ; 2089.57,615.16 C39.1@2089.57,651.57
  Bottom Layer w35: 2062.99,651.57 C39.1@2089.57,651.57 ; 2089.57,691.93 C39.1@2089.57,651.57 ; 2116.14,651.57 C39.1@2089.57,651.57
  Bottom Layer w45: 1954.72,795.28 D10.1@1989.17,795.28 ; 1989.17,747.05 D10.1@1989.17,795.28 ; 1989.17,843.5 D10.1@1989.17,795.28 ; 2023.62,795.28 D10.1@1989.17,795.28
BUCK_EN: TP4.1 U5.3 U6.7 | length 1616.4
  Top Layer w10: v1(1440.94,779.53) 1438.98,779.53 1449.8,768.7 1449.8,86.61 v1(1448.82,85.63) ; U5.3@1880.91,272.97 1942.58,272.97 2022.64,192.91 v1(2022.64,106.3)
  Bottom Layer w10: v1(1440.94,779.53) 1463.19,801.77 U6.7@1463.19,842.52 ; v1@1448.82,86.61 2002.95,86.61 v1(2022.64,106.3)
BUCK_OUT: C30.1 C31.1 D5.2 L1.2 R15.2 TP2.1 | length 957.6
  Top Layer w10: R15.2@1740.16,397.64 1776.57,434.06 1871.06,434.06 v1(1881.89,423.23) ; TP2.1@1931.1,393.7 1963.58,361.22 v1(1963.58,345.47)
  Bottom Layer w10: v1@1881.89,422.24 v1(1881.89,423.23) ; C31.1@1929.13,422.24 1929.13,379.92 v1(1963.58,345.47)
  Bottom Layer w20: C30.1@1845.47,409.45 C30.1@1858.27,422.24
  Bottom Layer w30: C30.1@1845.47,409.45 1845.47,384.84 1864.17,366.14 1864.17,323.82 1898.46,289.53 L1.2@1898.46,282.64
  Bottom Layer w35: D5.2@1736.22,736.22 1736.22,499.02 1761.81,473.43 1817.91,473.43 1845.47,445.87 C30.1@1845.47,409.45 ; C30.1@1858.27,422.24 1881.89,422.24 C31.1@1929.13,422.24
CONV_SEL+: R11.1 R16.2 U6.3 U6.5 | length 467.7
  Top Layer w10: v1(1397.64,1153.54) 1442.77,1108.41 1442.77,1094.24 1442.77,1061.17 v1(1506.89,997.05)
  Bottom Layer w10: 1366.14,1162.4 1368.11,1160.43 v1@1392.72,1160.43 ; U6.3@1513.19,1055.12 1506.89,1048.82 v1(1506.89,997.05) 1506.89,962.6 1563.19,906.3 U6.5@1563.19,842.52
CONV_SEL-: R12.1 U6.2 U6.6 U7.1 | length 396.8
  Bottom Layer w10: U6.6@1513.19,842.52 1513.19,920.87 1463.19,970.87 U6.2@1463.19,1055.12 1463.19,1112.8 1492.13,1141.73 1492.13,1152.56 1515.75,1176.18 1515.75,1196.85